# Altium PCB oxy_pcb.PcbDoc (continued)
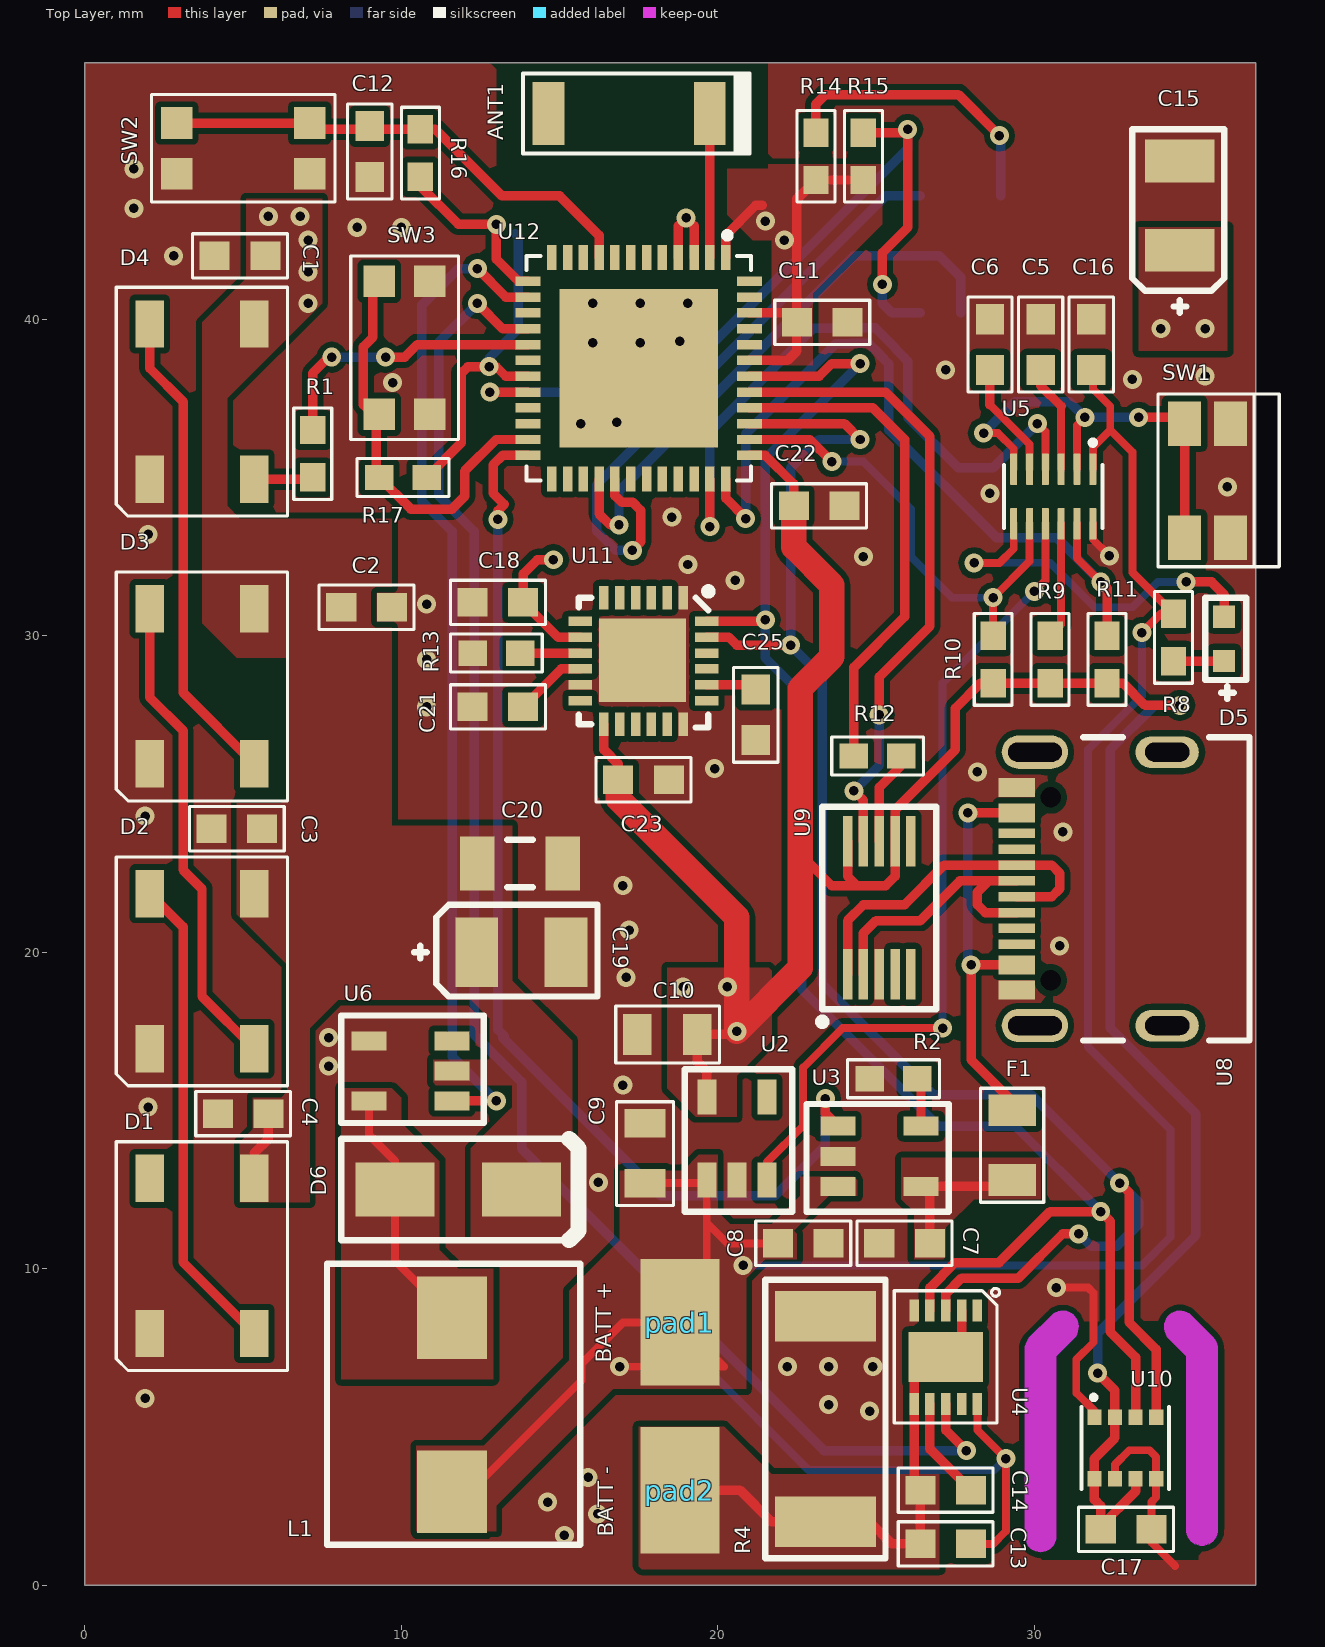
[diagram p0: Top Layer view]
## Part data
ANT1: library part AN2051, "SMD Built-in Antenna 2.4GHz", Package=None, Availability=Unavailable, MF=RainSun, MP=AN2051, Price=None, SnapEDA_Link=https://www.snapeda.com/parts/AN2051/RainSun/view-part/550460/?ref=snap
C1 C2 C3 C4 C11 C12 C13 C16 C17 C18 C21 C22: library part 06033D104KAT2A, "CAP CER 0.1UF 25V X5R 0603", Capacitance="100 nF", Case Size/Dimension=0603, Dielectric=X5R, Manufacturer="Kyocera AVX", Rated Voltage="25 V", Supplier Part Number 1=478-1244-6-ND, Tolerance (%)="±10 %", ComponentLink1Description=https://datasheet.ciiva.com/19475/1031061-19475906.pdf, ComponentLink1URL=https://datasheet.ciiva.com/19475/1031061-19475906.pdf, ComponentLink2Description=https://datasheet.ciiva.com/28613/759405-28613274.pdf, ComponentLink2URL=https://datasheet.ciiva.com/28613/759405-28613274.pdf, ComponentLink3Description=https://datasheet.ciiva.com/16397/cx5r-16397162.pdf, ComponentLink3URL=https://datasheet.ciiva.com/16397/cx5r-16397162.pdf, ComponentLink4Description=https://datasheet.ciiva.com/28613/1666675-28613037.pdf, ComponentLink4URL=https://datasheet.ciiva.com/28613/1666675-28613037.pdf, ComponentLink5Description=https://datasheet.ciiva.com/28613/1666675-28613275.pdf, ComponentLink5URL=https://datasheet.ciiva.com/28613/1666675-28613275.pdf, ComponentLink6Description=https://datasheet.ciiva.com/152/cx5r-152227.pdf, ComponentLink6URL=https://datasheet.ciiva.com/152/cx5r-152227.pdf, ComponentLink7Description=https://datasheet.ciiva.com/152/cx5r-152226.pdf, ComponentLink7URL=https://datasheet.ciiva.com/152/cx5r-152226.pdf, ComponentLink8Description=https://datasheet.ciiva.com/2987/cx5r-2987761.pdf, ComponentLink8URL=https://datasheet.ciiva.com/2987/cx5r-2987761.pdf, ComponentLink9Description=https://datasheet.ciiva.com/152/cx5r-152225.pdf, ComponentLink9URL=https://datasheet.ciiva.com/152/cx5r-152225.pdf, ComponentLink10Description=https://datasheet.ciiva.com/2987/cx5r-2987762.pdf, ComponentLink10URL=https://datasheet.ciiva.com/2987/cx5r-2987762.pdf, Manufacturer Part Number=06033D104KAT2A, Pricing 1="1=0.32, 10=0.221, 100=0.1328, 500=0.0996, 1000=0.0841 (USD)", Stock 1=0, Supplier 1=Digi-Key
C5: library part UMK107BJ105KA-T, "CAP CER 1UF 50V X5R 0603", Capacitance=1µF, Manufacturer="Taiyo Yuden", Operating Temperature="-55°C ~ 85°C", Package / Case="0603 (1608 Metric)", Ratings=-, Standard Package=1, Supplier Part Number 1=587-2400-1-ND, Temperature Coefficient=X5R, Tolerance=±10%, Voltage - Rated=50V, Applications="General Purpose", Catalog Drawings="xMK Series_0603_0.8", Category=Capacitors, ComponentLink1Description=http://www.farnell.com/datasheets/2091858.pdf?src-supplier=Farnell, ComponentLink1URL=http://www.farnell.com/datasheets/2091858.pdf?src-supplier=Farnell, ComponentLink2Description=https://www.yuden.co.jp/productdata/catalog/mlcc_all_e.pdf?src-supplier=Avnet, ComponentLink2URL=https://www.yuden.co.jp/productdata/catalog/mlcc_all_e.pdf?src-supplier=Avnet, ComponentLink3Description=https://www.yuden.co.jp/productdata/catalog/mlcc_all_e.pdf?src-supplier=Onlinecomponents.com, ComponentLink3URL=https://www.yuden.co.jp/productdata/catalog/mlcc_all_e.pdf?src-supplier=Onlinecomponents.com, ComponentLink4Description=http://ds.yuden.co.jp/TYCOMPAS/ut/detail.do?productNo=UMK107BJ105KA-T&amp;fileName=UMK107BJ105KA-T_SS&amp;mode=specSheetDownload&src-supplier=Digi-Key, ComponentLink4URL=http://ds.yuden.co.jp/TYCOMPAS/ut/detail.do?productNo=UMK107BJ105KA-T&amp;fileName=UMK107BJ105KA-T_SS&amp;mode=specSheetDownload&src-supplier=Digi-Key, ComponentLink5Description=http://www.farnell.com/datasheets/2091858.pdf?src-supplier=Element14, ComponentLink5URL=http://www.farnell.com/datasheets/2091858.pdf?src-supplier=Element14, ComponentLink6Description=http://www.yuden.co.jp/ut/product/pdf_html/pdf/mlcc_all_e.pdf?src-supplier=Element14, ComponentLink6URL=http://www.yuden.co.jp/ut/product/pdf_html/pdf/mlcc_all_e.pdf?src-supplier=Element14, ComponentLink7Description=https://www.yuden.co.jp/productdata/catalog/mlcc_all_e.pdf?src-supplier=Mouser, ComponentLink7URL=https://www.yuden.co.jp/productdata/catalog/mlcc_all_e.pdf?src-supplier=Mouser, Family="Ceramic Capacitors", Features=-, Height - Seated (Max)=-, Lead Spacing=-, Lead Style=-, Manufacturer Part Number=UMK107BJ105KA-T, Mounting Type="Surface Mount, MLCC", Online Catalog="M Series", Other Names=587-2400-6, Packaging=Digi-Reel®, Pricing 1="1=0.18, 10=0.129, 100=0.0605, 500=0.0424, 1000=0.0351 (USD)", Series=M, Size / Dimension="0.063\" L x 0.031\" W (1.60mm x 0.80mm)", Stock 1=2604996, Supplier 1=Digi-Key, Thickness (Max)="0.035\" (0.90mm)"
C6 C7 C8: library part C0603C475K9PACTU, "KEMET - C0603C475K9PACTU - KONDENSATOR, 4.7µF, 6.3V, 10%, X5R, 0603", Capacitance=4.7µF, Capacitance Tolerance="± 10%", Capacitor Case Style=0603, Capacitor Terminals=SMD, Dielectric Characteristic=X5R, Manufacturer=KEMET, Operating Temperature Range="-55°C to +85°C", Supplier Part Number 1=399-3482-1-ND, Voltage Rating=6.3V, ComponentLink1Description=https://api.kemet.com/component-edge/download/datasheet/C0603C475K9PACTU.pdf?src-supplier=Digi-Key, ComponentLink1URL=https://api.kemet.com/component-edge/download/datasheet/C0603C475K9PACTU.pdf?src-supplier=Digi-Key, ComponentLink2Description=http://www.farnell.com/datasheets/2739654.pdf?src-supplier=Element14, ComponentLink2URL=http://www.farnell.com/datasheets/2739654.pdf?src-supplier=Element14, ComponentLink3Description=http://www.farnell.com/datasheets/40889.pdf?src-supplier=Element14, ComponentLink3URL=http://www.farnell.com/datasheets/40889.pdf?src-supplier=Element14, Lead Spacing=–, Manufacturer Part Number=C0603C475K9PACTU, MSL=–, Pricing 1="1=0.17, 10=0.12, 100=0.0565, 500=0.0396, 1000=0.0328 (USD)", Stock 1=2903916, Supplier 1=Digi-Key, SVHC=–
C9 C10: library part GRM21BR71C105KA01L, "CAP CER 1UF 16V X7R 0805", Manufacturer="Murata Electronics North America", Operating Temperature="-55°C ~ 125°C", Package / Case="0805 (2012 Metric)", Ratings=-, Supplier Part Number 1=490-1691-1-ND, Temperature Coefficient=X7R, Tolerance=±10%, Voltage - Rated=16V, Applications="General Purpose", Category=Capacitors, ComponentLink1Description=http://search.murata.co.jp/Ceramy/image/img/A01X/G101/ENG/GRM21BR71C105KA01-01.pdf, ComponentLink1URL=http://search.murata.co.jp/Ceramy/image/img/A01X/G101/ENG/GRM21BR71C105KA01-01.pdf, Features=-, Height - Seated (Max)=-, Lead Spacing=-, Lead Style=-, Manufacturer Part Number=GRM21BR71C105KA01L, Mounting Type="Surface Mount, MLCC", Packaging="Cut Tape (CT)", Part Status=Active, Pricing 1="1=0.11, 10=0.083, 100=0.0372, 500=0.02656, 1000=0.02087 (USD)", RoHS="RoHS Compliant", Size / Dimension="0.079\" L x 0.049\" W (2.00mm x 1.25mm)", Stock 1=397728, Supplier 1=Digi-Key, Thickness (Max)="0.053\" (1.35mm)"
C14: library part C0603C474K4PACTU, "CAP CER 0.47UF 16V 10% X5R 0603", Capacitance="0.47 uF", Capacitance - nF="470 nF", Capacitance - pF="470000 pF", Case Code - in=0603, Case Code - mm=1608, Case Height="0.8 mm", Case Length="1.6 mm", Dielectric=X5R, Manufacturer=KEMET, Maximum Operating Temperature="+ 85 C", Minimum Operating Temperature="- 55 C", Operating Temperature Range="- 55 C to + 85 C", Package / Case="0603 (1608 metric)", Supplier Part Number 1=399-7934-1-ND, Temperature Coefficient / Code="+/- 15 %", Tolerance="10 %", Voltage Rating="16 V", Brand=Kemet, Case Width="0.8 mm", Class="Class 2", Dimensions="0.8 mm W x 1.6 mm L x 0.8 mm H", Dissipation Factor DF=5, Factory Pack Quantity=4000, Lead Spacing="0.7 mm", Manufacturer Part Number=C0603C474K4PACTU, Packaging=Reel, Part # Aliases=C0603C474K4PAC7867, Pricing 1="1=0.17, 10=0.118, 100=0.0556, 500=0.039, 1000=0.0323 (USD)", Product="General Type MLCCs", Product Category="Multilayer Ceramic Capacitors MLCC - SMD/SMT", RoHS=Details, Series=C0603C, Stock 1=22191, Supplier 1=Digi-Key, Termination Style=SMD/SMT, Type="SMD MLCC X5R 4 - 50 VDC Commerical Grade", Voltage Rating DC="16 V"
C15 C19: library part T491A106K010AT, "CAP TANT 10UF 10V 10% 1206", ESR (Equivalent Series Resistance)="3.8 Ohm", Lifetime @ Temp.="2000 Hrs @ 85°C", Manufacturer=KEMET, Manufacturer Size Code=A, Operating Temperature="-55°C ~ 125°C", Package / Case="1206 (3216 Metric)", Supplier Part Number 1=399-3684-1-ND, Tolerance=±10%, Category=Capacitors, ComponentLink1Description=http://www.kemet.com/Lists/ProductCatalog/Attachments/254/KEM_T2005_T491.pdf, ComponentLink1URL=http://www.kemet.com/Lists/ProductCatalog/Attachments/254/KEM_T2005_T491.pdf, Failure Rate=-, Features="General Purpose", Height - Seated (Max)="0.071\" (1.80mm)", Lead Spacing=-, Manufacturer Part Number=T491A106K010AT, Mounting Type="Surface Mount", Packaging="Cut Tape (CT)", Part Status=Active, Pricing 1="1=0.41, 10=0.287, 100=0.1721, 500=0.12912, 1000=0.10903 (USD)", RoHS="RoHS Compliant", Size / Dimension="0.126\" L x 0.063\" W (3.20mm x 1.60mm)", Stock 1=741056, Supplier 1=Digi-Key, Type=Molded
C20: library part LMK316BJ106MLHT, "CAP CER 10UF 10V X5R 1206", Manufacturer="Taiyo Yuden", Operating Temperature="-55°C ~ 85°C", Package / Case="1206 (3216 Metric)", Ratings=AEC-Q200, Supplier Part Number 1=LMK316BJ106MLHT-ND, Temperature Coefficient=X5R, Tolerance=±20%, Voltage - Rated=10V, Applications="Automotive, SMPS Filtering", Category=Capacitors, ComponentLink1Description=http://www.yuden.co.jp/productdata/catalog/en/mlcc_all_hq_e.pdf, ComponentLink1URL=http://www.yuden.co.jp/productdata/catalog/en/mlcc_all_hq_e.pdf, Failure Rate=-, Features="Ultra Low ESR", Height - Seated (Max)=-, Lead Spacing=-, Lead Style=-, Manufacturer Part Number=LMK316BJ106MLHT, Mounting Type="Surface Mount, MLCC", Packaging="Tape & Reel (TR)", Part Status=Active, Pricing 1="2000=0.07458 (USD)", RoHS="RoHS Compliant", Size / Dimension="0.126\" L x 0.063\" W (3.20mm x 1.60mm)", Stock 1=0, Supplier 1=Digi-Key, Thickness (Max)="0.071\" (1.80mm)"
C23: library part "CC0603KRX7R9BB103 (2)", "Cap Ceramic 0.01uF 50V X7R 10% SMD 0603 125C Automotive T/R", Capacitance=10000pF, Manufacturer=Yageo, Manufacturer Part Number=CC0603KRX7R9BB103, Operating Temperature="-55°C ~ 125°C", Package / Case="0603 (1608 Metric)", Ratings=-, Standard Package=1, Supplier Part Number 1=311-1085-1-ND, Temperature Coefficient=X7R, Tolerance=±10%, Voltage - Rated=50V, Applications="General Purpose", Category=Capacitors, ComponentLink1Description=http://www.farnell.com/datasheets/2167236.pdf?src-supplier=Element14, ComponentLink1URL=http://www.farnell.com/datasheets/2167236.pdf?src-supplier=Element14, ComponentLink2Description=http://www.yageo.com/documents/recent/UPY-GPHC_X7R_6.3V-to-50V_18.pdf?src-supplier=Digi-Key, ComponentLink2URL=http://www.yageo.com/documents/recent/UPY-GPHC_X7R_6.3V-to-50V_18.pdf?src-supplier=Digi-Key, ComponentLink3Description=http://www.farnell.com/datasheets/2167236.pdf?src-supplier=Mouser, ComponentLink3URL=http://www.farnell.com/datasheets/2167236.pdf?src-supplier=Mouser, ComponentLink4Description=http://www.farnell.com/datasheets/70765.pdf?src-supplier=Element14, ComponentLink4URL=http://www.farnell.com/datasheets/70765.pdf?src-supplier=Element14, ComponentLink5Description=http://www.yageo.com/documents/recent/UPY-GPHC_X7R_6.3V-to-50V_8.pdf?src-supplier=Avnet+Europe, ComponentLink5URL=http://www.yageo.com/documents/recent/UPY-GPHC_X7R_6.3V-to-50V_8.pdf?src-supplier=Avnet+Europe, ComponentLink6Description=http://www.farnell.com/datasheets/1489800.pdf?src-supplier=Element14, ComponentLink6URL=http://www.farnell.com/datasheets/1489800.pdf?src-supplier=Element14, ComponentLink7Description=https://www.verical.com/server-webapp/html/getDatasheet?partID=403582&src-supplier=Verical, ComponentLink7URL=https://www.verical.com/server-webapp/html/getDatasheet?partID=403582&src-supplier=Verical, Family="Ceramic Capacitors", Featured Product="Commodity Multilayer Ceramic Capacitors – CC Series", Features=-, Height - Seated (Max)=-, Lead Spacing=-, Lead Style=-, Mounting Type="Surface Mount, MLCC", Online Catalog="CC Series", Other Names=311-1085-6, Packaging=Digi-Reel®, Pricing 1="1=0.1, 10=0.037, 100=0.0165, 500=0.0118, 1000=0.0092 (USD)", Product Training Modules="Multilayer Ceramic Capacitors", Series=CC, Size / Dimension="0.063\" L x 0.031\" W (1.60mm x 0.80mm)", Stock 1=7014916, Supplier 1=Digi-Key, Thickness (Max)="0.035\" (0.90mm)"
C25: library part C0603C222K2RACTU, "CAP CER 2200PF 200V X7R 0603", Capacitance="2200 pF", Capacitance - nF="2.2 nF", Capacitance - uF="0.0022 uF", Case Code - in=0603, Case Code - mm=1608, Case Height="0.8 mm", Case Length="1.6 mm", Dielectric=X7R, Manufacturer=KEMET, Maximum Operating Temperature="+ 125 C", Minimum Operating Temperature="- 55 C", Operating Temperature Range="- 55 C to + 125 C", Package / Case="0603 (1608 metric)", Supplier Part Number 1=399-14504-1-ND, Temperature Coefficient / Code="+/- 15 %", Tolerance="10 %", Voltage Rating="200 V", Brand=Kemet, Case Width="0.8 mm", Class="Class 1", ComponentLink1Description=http://www.farnell.com/datasheets/1633156.pdf?src-supplier=Element14, ComponentLink1URL=http://www.farnell.com/datasheets/1633156.pdf?src-supplier=Element14, ComponentLink2Description=http://www.farnell.com/datasheets/1851736.pdf?src-supplier=Element14, ComponentLink2URL=http://www.farnell.com/datasheets/1851736.pdf?src-supplier=Element14, Dimensions="0.8 mm W x 1.6 mm L x 0.8 mm H", Dissipation Factor DF=10, Factory Pack Quantity=4000, Manufacturer Part Number=C0603C222K2RACTU, Packaging=Reel, Part # Aliases=C0603C222K2RAC7867, Pricing 1="1=0.38, 10=0.262, 100=0.157, 500=0.1177, 1000=0.0994 (USD)", Product="General Type MLCCs", Product Category="Multilayer Ceramic Capacitors MLCC - SMD/SMT", RoHS=Details, Series=C0603C, Stock 1=6991, Supplier 1=Digi-Key, Termination Style=SMD/SMT, Type="SMD MLCC X7R 6.3 - 250 VDC Commerical Grade", Voltage Rating DC="200 V"
D1 D2 D3 D4: "LED RGB WS2812 OR SK6812 1=10", Color="Red, Green, Blue (RGB)", Manufacturer="Adafruit Industries LLC", Manufacturer Part Number=1655, Supplier Part Number 1=1528-1104-ND, Category=Optoelectronics, ComponentLink1Description=https://cdn-shop.adafruit.com/product-files/1138/SK6812+LED+datasheet+.pdf, ComponentLink1URL=https://cdn-shop.adafruit.com/product-files/1138/SK6812+LED+datasheet+.pdf, Configuration=Discrete, Controller Type=-, Interface="Serial (Shift Register)", Mounting Type="Surface Mount", Number of LEDs=10, Part Status=Active, Pricing 1="1=4.5 (USD)", RoHS="RoHS Compliant", Size / Dimension="5.00mm L x 5.00mm W", Stock 1=8293, Supplier 1=Digi-Key, Utilized LED="SK6812 or WS2812"
D5: library part LTST-S270KRKT, "LED RED CLEAR 0603 R/A SMD", Color=Red, Current - Test=20mA, Lens Color=Colorless, Manufacturer="Lite-On Inc.", Millicandela Rating=54mcd, Package / Case="0603 (1608 Metric)", Supplier Device Package="Chip LED", Supplier Part Number 1=160-1479-6-ND, Voltage - Forward (Vf) (Typ)=2V, Category=Optoelectronics, ComponentLink1Description=http://optoelectronics.liteon.com/upload/download/DS22-2000-210/LTST-S270KRKT.pdf, ComponentLink1URL=http://optoelectronics.liteon.com/upload/download/DS22-2000-210/LTST-S270KRKT.pdf, Features=-, Height (Max)=0.60mm, Lens Style/Size="Rectangle with Flat Top, 1.20mm x 0.60mm", Lens Transparency=Clear, Manufacturer Part Number=LTST-S270KRKT, Mounting Type="Surface Mount, Right Angle", Packaging=Digi-Reel®, Part Status=Active, Pricing 1="1=0.27, 10=0.196, 25=0.1448, 100=0.1034, 250=0.07032, 500=0.06204, 1000=0.0486 (USD)", RoHS="RoHS Compliant", Size / Dimension="1.60mm L x 1.15mm W", Stock 1=443917, Supplier 1=Digi-Key, Viewing Angle=130°, Wavelength - Dominant=631nm, Wavelength - Peak=639nm
D6: library part SS14, "DIODE SCHOTTKY 40V 1A SMA", Avg. Forward Curr (Max)=1A, Forward Voltage=600mV, Manufacturer=Microsemi, Operating Temperature Classification=Military, Operating Temp Range="-55C to 125C", Package Type=DO-214AC, Peak Non-Repetitive Surge Current=30A, Peak Rep Rev Volt=40V, Rev Curr=500uA, Supplier Part Number 1=SS14DKR-ND, Configuration=Single, Manufacturer Part Number=SS14, Mounting="Surface Mount", Pin Count=2, Pricing 1="1=0.38, 10=0.31, 25=0.2592, 100=0.1267, 250=0.1247, 500=0.1057, 1000=0.0734, 2500=0.0683 (USD)", Rectifier Type="Schottky Diode", Stock 1=177418, Supplier 1=Digi-Key
F1: library part 0805L075SLYR, Manufacturer="Littelfuse Inc.", Operating Temperature="-40°C ~ 85°C", Package / Case="0805 (2012 Metric), Concave", Ratings=-, Supplier Part Number 1=F4151TR-ND, Voltage - Max=6V, Approvals="cURus, TUV", Category="Circuit Protection", ComponentLink1Description=http://www.littelfuse.com/~/media/electronics/datasheets/resettable_ptcs/littelfuse_ptc_lorho_datasheet.pdf.pdf, ComponentLink1URL=http://www.littelfuse.com/~/media/electronics/datasheets/resettable_ptcs/littelfuse_ptc_lorho_datasheet.pdf.pdf, Height - Seated (Max)=-, Lead Spacing=-, Manufacturer Part Number=0805L075SLYR, Mounting Type="Surface Mount", Packaging="Tape & Reel (TR)", Part Status=Active, Pricing 1="4000=0.715, 8000=0.6875 (USD)", RoHS="RoHS Compliant", Size / Dimension="0.083\" L x 0.053\" W (2.10mm x 1.35mm)", Stock 1=4000, Supplier 1=Digi-Key, Thickness (Max)="0.030\" (0.75mm)", Type=Polymeric
L1: library part CDRH70D45BT150NP-470MC, "Ind Power 47uF 20% Ferrite Drum Core", Manufacturer=Sumida, Supplier Part Number 1=308-CDRH70D45BT150NP-470MCCT-ND, Manufacturer Part Number=CDRH70D45BT150NP-470MC, Pricing 1="1=2.73, 10=2.519, 100=1.763, 500=1.4272, 1000=1.3012 (USD)", Stock 1=0, Supplier 1=Digi-Key
pad1 pad2: library part Pad5x4mm
R1: library part CRCW0603-470RFKEA, "SMD Resistor, Thick film 470 Ohm,  ±  1 %, 0603, CRCW0603470RFKEA, Vishay", Case Code - in=0603, Case Code - mm=1608, Manufacturer=Vishay, Operating Temperature Range="- 55 C to + 155 C", Package / Case="0603 (1608 metric)", Power Rating="100 mW", Resistance="470 Ohms", Supplier Part Number 1=541-470HTR-ND, Temperature Coefficient="100 PPM / K", Tolerance="1 %", Voltage Rating="75 V", Brand="Vishay / Dale", ComponentLink1Description=http://www.vishay.com/docs/20035/dcrcwe3.pdf?src-supplier=Digi-Key, ComponentLink1URL=http://www.vishay.com/docs/20035/dcrcwe3.pdf?src-supplier=Digi-Key, ComponentLink2Description=http://uk.rs-online.com/webdocs/13ec/0900766b813ecbec.pdf?src-supplier=RSComponents, ComponentLink2URL=http://uk.rs-online.com/webdocs/13ec/0900766b813ecbec.pdf?src-supplier=RSComponents, ComponentLink3Description=https://www.verical.com/server-webapp/html/getDatasheet?partID=45798&src-supplier=Verical, ComponentLink3URL=https://www.verical.com/server-webapp/html/getDatasheet?partID=45798&src-supplier=Verical, ComponentLink4Description=http://www.vishay.com/docs/20008/dcrcw.pdf?src-supplier=Avnet+Europe, ComponentLink4URL=http://www.vishay.com/docs/20008/dcrcw.pdf?src-supplier=Avnet+Europe, ComponentLink5Description=http://www.vishay.com/docs/20035/dcrcwe3.pdf?src-supplier=Avnet, ComponentLink5URL=http://www.vishay.com/docs/20035/dcrcwe3.pdf?src-supplier=Avnet, ComponentLink6Description=http://www.mouser.com/ds/2/427/dcrcwe3-109170.pdf?src-supplier=Mouser, ComponentLink6URL=http://www.mouser.com/ds/2/427/dcrcwe3-109170.pdf?src-supplier=Mouser, ComponentLink7Description=http://www.farnell.com/datasheets/2310790.pdf?src-supplier=Element14, ComponentLink7URL=http://www.farnell.com/datasheets/2310790.pdf?src-supplier=Element14, ComponentLink8Description=http://www.farnell.com/datasheets/2045673.pdf?src-supplier=Element14, ComponentLink8URL=http://www.farnell.com/datasheets/2045673.pdf?src-supplier=Element14, ComponentLink9Description=https://www.distrelec.biz/Web/Downloads/a_/en/flD-CRCW-e3_data_en.pdf?mime=application%2Fpdf&src-supplier=Distrelec, ComponentLink9URL=https://www.distrelec.biz/Web/Downloads/a_/en/flD-CRCW-e3_data_en.pdf?mime=application%2Fpdf&src-supplier=Distrelec, Factory Pack Quantity=5000, Height="0.45 mm", Length="1.55 mm", Manufacturer Part Number=CRCW0603-470RFKEA, Packaging=Reel, Product="Thick Film Resistors SMD", Product Category="Thick Film Resistors - SMD", RoHS=Details, Series=CRCW, Stock 1=0, Supplier 1=Digi-Key, Termination Style=SMD/SMT, Unit Weight="0.000071 oz", Width="0.85 mm"
R2: library part ERJ-3EKF2001V, "RES SMD 2K OHM 1% 1/10W 0603", Manufacturer=Panasonic, Rated Power="0.1 W", Resistance="2 kO", Supplier Part Number 1=P2.00KHDKR-ND, Temp Coefficient="±100 ppm/°C", Tolerance (%)="±1 %", ComponentLink1Description=http://industrial.panasonic.com/www-data/pdf/AOA0000/AOA0000CE2.pdf?src-supplier=Future+Electronics, ComponentLink1URL=http://industrial.panasonic.com/www-data/pdf/AOA0000/AOA0000CE2.pdf?src-supplier=Future+Electronics, ComponentLink2Description=http://industrial.panasonic.com/cdbs/www-data/pdf/RDA0000/AOA0000C304.pdf?src-supplier=Farnell, ComponentLink2URL=http://industrial.panasonic.com/cdbs/www-data/pdf/RDA0000/AOA0000C304.pdf?src-supplier=Farnell, ComponentLink3Description=http://www.farnell.com/datasheets/1678782.pdf?src-supplier=Element14, ComponentLink3URL=http://www.farnell.com/datasheets/1678782.pdf?src-supplier=Element14, ComponentLink4Description=http://www.farnell.com/datasheets/1911175.pdf?src-supplier=Element14, ComponentLink4URL=http://www.farnell.com/datasheets/1911175.pdf?src-supplier=Element14, ComponentLink5Description=https://industrial.panasonic.com/cdbs/www-data/pdf/RDA0000/DMA0000COL11.pdf?src-supplier=Allied+Electronics, ComponentLink5URL=https://industrial.panasonic.com/cdbs/www-data/pdf/RDA0000/DMA0000COL11.pdf?src-supplier=Allied+Electronics, ComponentLink6Description=http://industrial.panasonic.com/www-data/pdf/AOA0000/AOA0000CE2.pdf?src-supplier=Avnet+Europe, ComponentLink6URL=http://industrial.panasonic.com/www-data/pdf/AOA0000/AOA0000CE2.pdf?src-supplier=Avnet+Europe, ComponentLink7Description=http://www.farnell.com/datasheets/1911175.pdf?src-supplier=Farnell, ComponentLink7URL=http://www.farnell.com/datasheets/1911175.pdf?src-supplier=Farnell, ComponentLink8Description=https://industrial.panasonic.com/cdbs/www-data/pdf/RDA0000/DMA0000COL11.pdf?src-supplier=Mouser, ComponentLink8URL=https://industrial.panasonic.com/cdbs/www-data/pdf/RDA0000/DMA0000COL11.pdf?src-supplier=Mouser, Manufacturer Part Number=ERJ-3EKF2001V, Pricing 1="1=0.1, 10=0.068, 100=0.0278, 1000=0.0125, 2500=0.0109 (USD)", Size Code=0603, Stock 1=848013, Supplier 1=Digi-Key
R4: library part CSR25120R01F, "RES 0.01 OHM 1% 1W 2512", Manufacturer=Riedon, Operating Temperature="-55°C ~ 170°C", Package / Case="2512 (6432 Metric)", Power (Watts)=1W, Resistance (Ohms)=0.01, Supplier Device Package=2512, Supplier Part Number 1=696-1655-1-ND, Temperature Coefficient=±75ppm/°C, Tolerance=±1%, Category=Resistors, ComponentLink1Description=https://riedon.com/media/pdf-tech/riedon_brochure_download.pdf?src-supplier=Digi-Key, ComponentLink1URL=https://riedon.com/media/pdf-tech/riedon_brochure_download.pdf?src-supplier=Digi-Key, ComponentLink2Description=http://riedon.com/media/pdf/CSR.pdf?src-supplier=Digi-Key, ComponentLink2URL=http://riedon.com/media/pdf/CSR.pdf?src-supplier=Digi-Key, Composition="Metal Element", Family="Chip Resistor - Surface Mount", Features="Current Sense", Height="0.033\" (0.84mm)", Manufacturer Part Number=CSR25120R01F, Number of Terminations=2, Packaging="Tape & Reel (TR)", Pricing 1="1=0.64, 10=0.531, 25=0.4556, 50=0.4098, 100=0.3567, 250=0.3188, 500=0.2581, 1000=0.2087 (USD)", Series=CSR, Size / Dimension="0.250\" L x 0.125\" W (6.35mm x 3.18mm)", Stock 1=46648, Supplier 1=Digi-Key
R8: library part CR0603-FX-1000ELF, "Res Thick Film 0603 100 Ohm 1% 1/10W A±100ppm/A°C Molded SMD SMD Paper Tape on Plastic Reel", Manufacturer=Bourns, Operating Temperature="-55°C ~ 155°C", Package / Case="0603 (1608 Metric)", Power (Watts)="0.1W, 1/10W", Resistance (Ohms)=100, Standard Package=1, Supplier Device Package=0603, Supplier Part Number 1=CR0603-FX-1000ELFCT-ND, Temperature Coefficient=±100ppm/°C, Tolerance=±1%, Category=Resistors, ComponentLink1Description=http://www.farnell.com/datasheets/2178762.pdf?src-supplier=Newark, ComponentLink1URL=http://www.farnell.com/datasheets/2178762.pdf?src-supplier=Newark, ComponentLink2Description=https://www.bourns.com/docs/Product-Datasheets/CHPREZTR.pdf?src-supplier=Digi-Key, ComponentLink2URL=https://www.bourns.com/docs/Product-Datasheets/CHPREZTR.pdf?src-supplier=Digi-Key, ComponentLink3Description=http://www.farnell.com/datasheets/691949.pdf?src-supplier=Element14, ComponentLink3URL=http://www.farnell.com/datasheets/691949.pdf?src-supplier=Element14, ComponentLink4Description=http://www.bourns.com/pdfs/chpreztr.pdf?src-supplier=Avnet+Europe, ComponentLink4URL=http://www.bourns.com/pdfs/chpreztr.pdf?src-supplier=Avnet+Europe, ComponentLink5Description=http://uk.rs-online.com/webdocs/0fcd/0900766b80fcdb72.pdf?src-supplier=RSComponents, ComponentLink5URL=http://uk.rs-online.com/webdocs/0fcd/0900766b80fcdb72.pdf?src-supplier=RSComponents, ComponentLink6Description=http://www.produktinfo.conrad.com/datenblaetter/1000000-1099999/001055482-da-01-en-SMD_WID_CR0603_FX_1000ELF_100_OHM_1_10W.pdf?src-supplier=Conrad, ComponentLink6URL=http://www.produktinfo.conrad.com/datenblaetter/1000000-1099999/001055482-da-01-en-SMD_WID_CR0603_FX_1000ELF_100_OHM_1_10W.pdf?src-supplier=Conrad, Composition="Thick Film", EDA / CAD Models="Download from Accelerated Designs", Family="Chip Resistor - Surface Mount", Features="Moisture Resistant", Height="0.022\" (0.55mm)", Manufacturer Part Number=CR0603-FX-1000ELF, Number of Terminations=2, Online Catalog="CR Series", Other Names=CR0603-FX-1000ELFDKR, Packaging=Digi-Reel®, Pricing 1="1=0.1, 10=0.021, 100=0.0086, 1000=0.0039, 2500=0.0033 (USD)", RoHS Information="CR0603-LF Material Declaration", Series=CR0603, Size / Dimension="0.063\" L x 0.031\" W (1.60mm x 0.80mm)", Stock 1=233644, Supplier 1=Digi-Key
R9 R10 R11 R14 R15 R16 R17: library part RC0603FR-0710KL, "RES SMD 10K OHM 1% 1/10W 0603", Manufacturer=Yageo, Operating Temperature="-55°C ~ 155°C", Package / Case="0603 (1608 Metric)", Power (Watts)="0.1W, 1/10W", Supplier Device Package=0603, Supplier Part Number 1=311-10.0KHRDKR-ND, Temperature Coefficient=±100ppm/°C, Tolerance=±1%, Category=Resistors, ComponentLink1Description=http://www.yageo.com/documents/recent/PYu-RC_Group_51_RoHS_L_8.pdf, ComponentLink1URL=http://www.yageo.com/documents/recent/PYu-RC_Group_51_RoHS_L_8.pdf, Composition="Thick Film", Failure Rate=-, Features="Moisture Resistant", Height - Seated (Max)="0.022\" (0.55mm)", Manufacturer Part Number=RC0603FR-0710KL, Packaging=Digi-Reel®, Part Status=Active, Pricing 1="1=0.1, 10=0.015, 100=0.006, 1000=0.00268, 2500=0.00233 (USD)", RoHS="RoHS Compliant", Size / Dimension="0.063\" L x 0.032\" W (1.60mm x 0.80mm)", Stock 1=5916612, Supplier 1=Digi-Key